# KiCad board SCKB-Xin.kicad_pcb
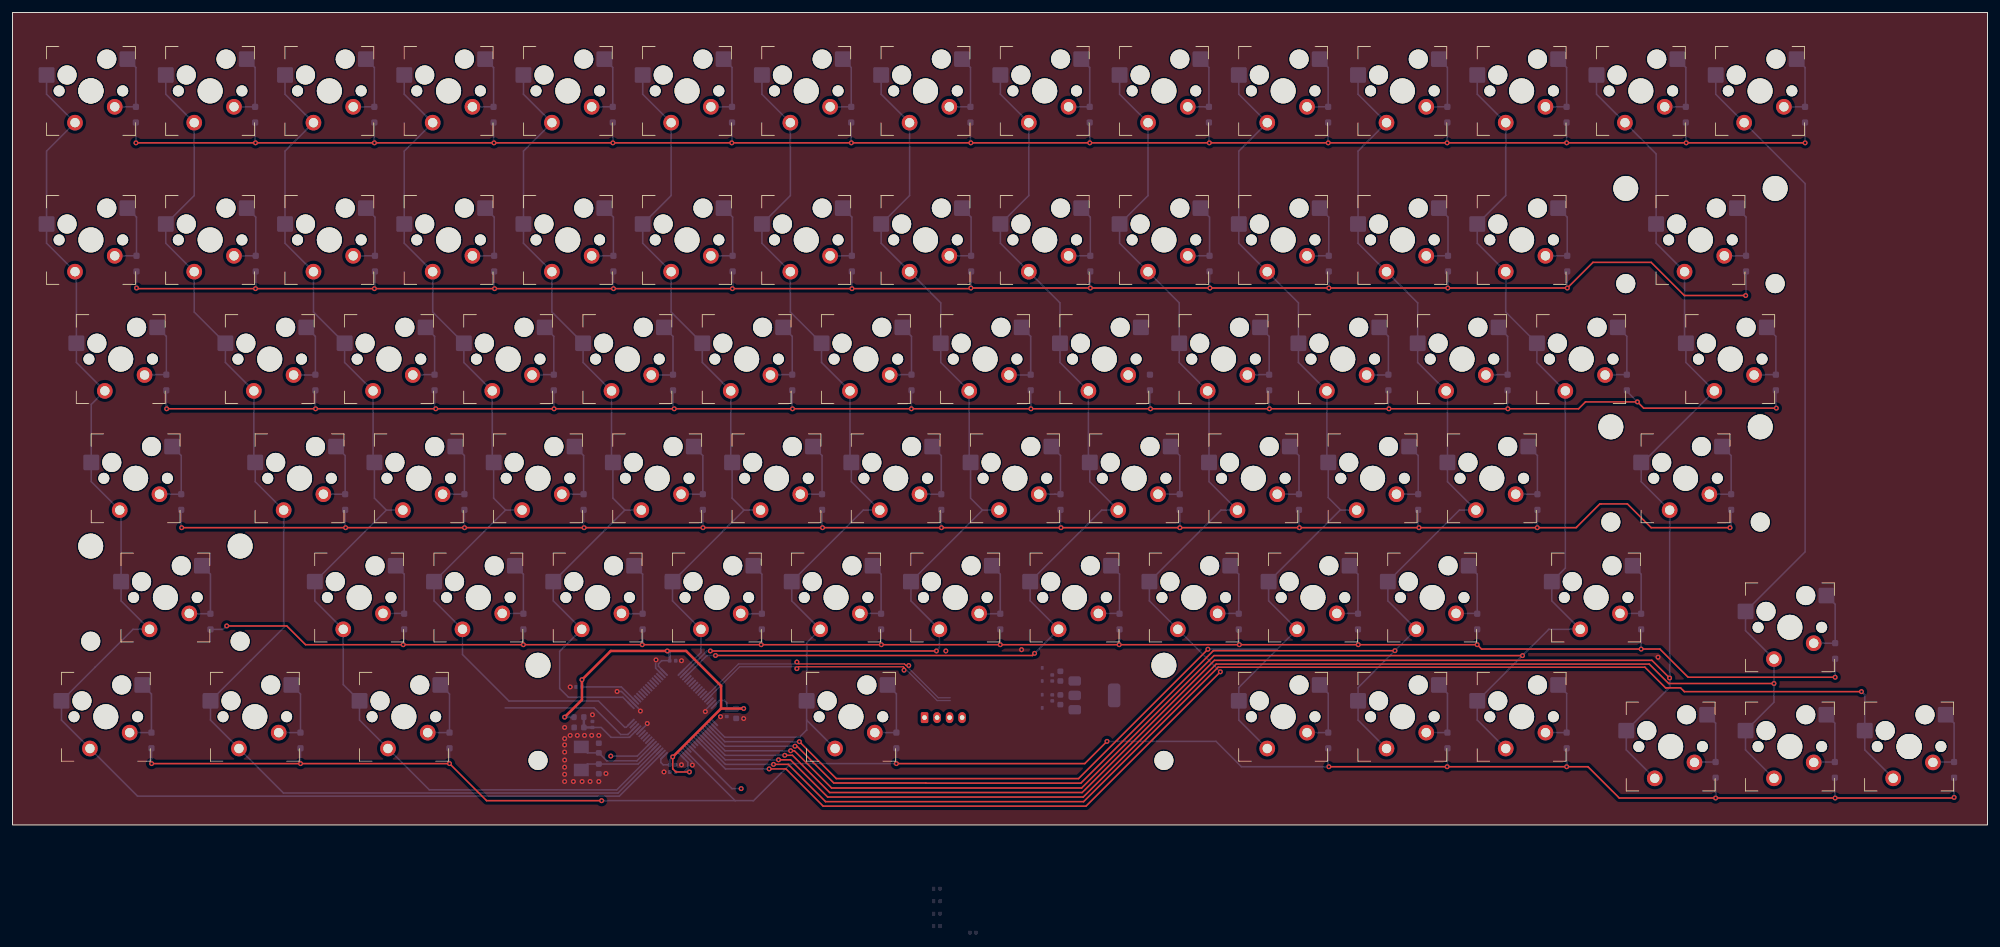
[diagram p0: board, top side]
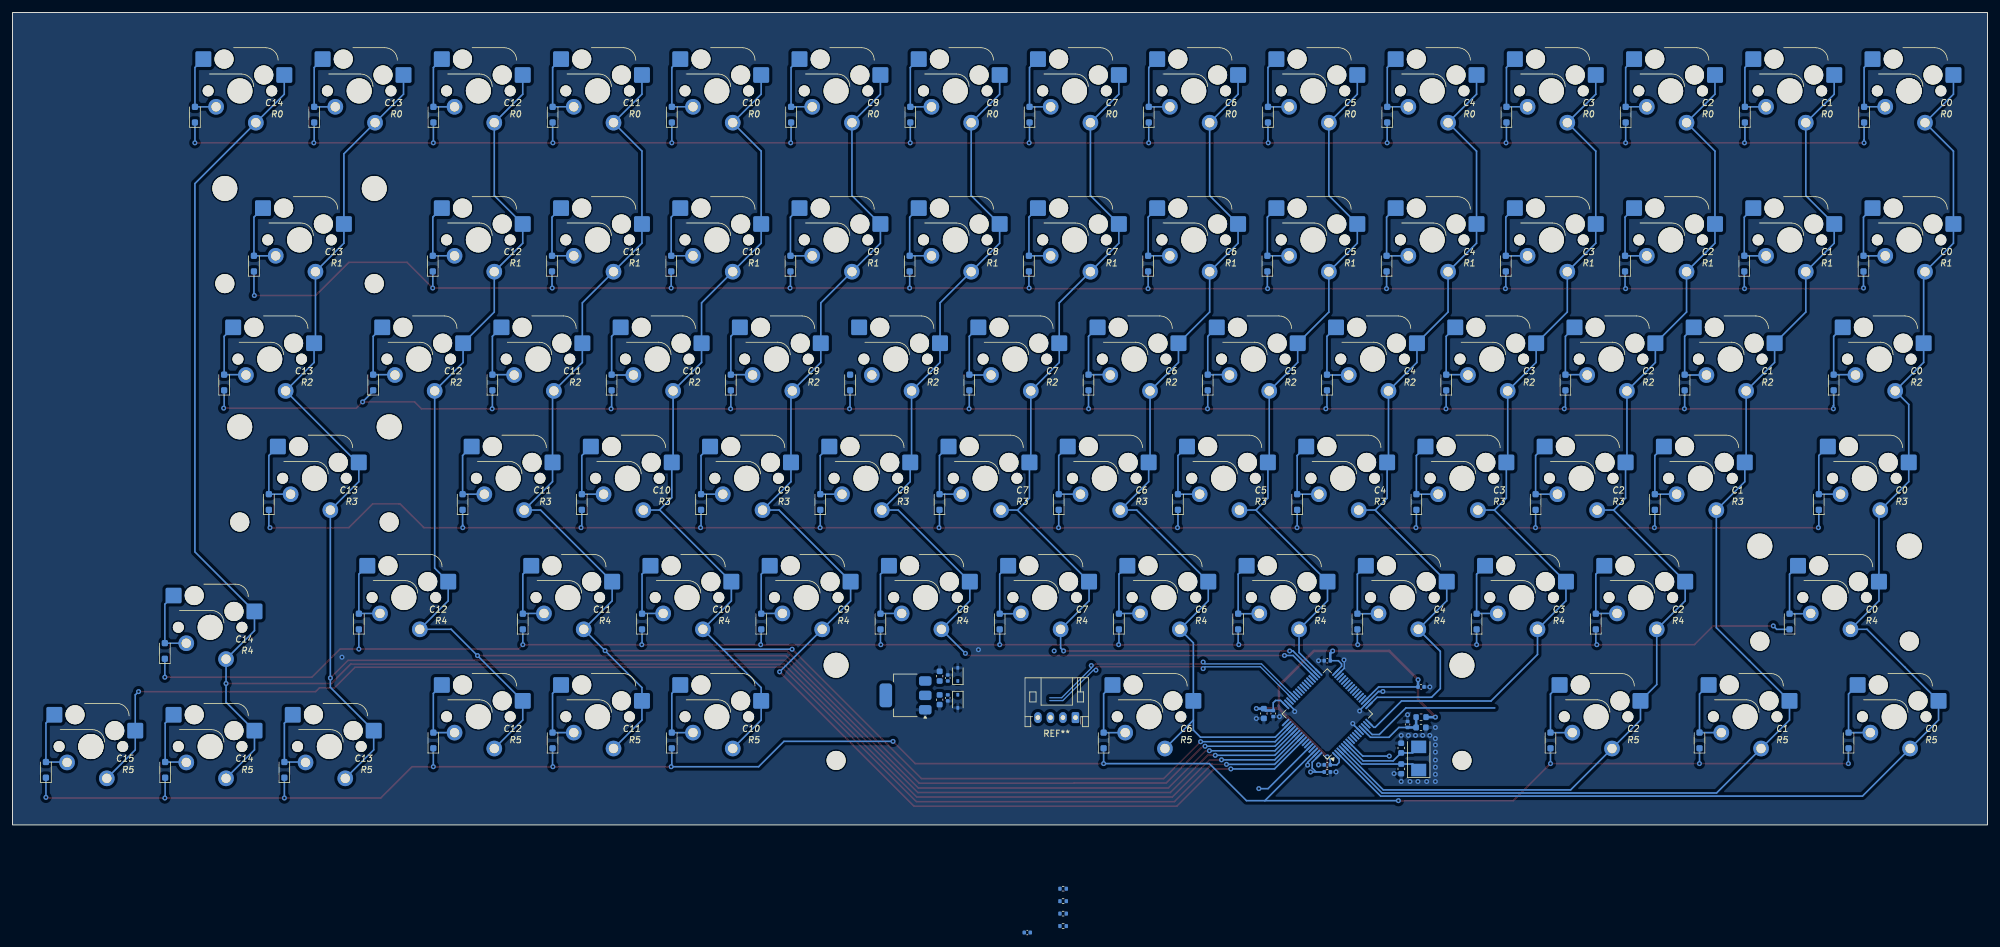
[diagram p1: board, bottom side, seen from below]

Outline 315.56 x 129.83 mm; copper layers: Top, Bottom. Coordinates in mm from the lower left corner of the outline.
Outline path: rectangle 0,129.83 315.56,0

## Placement (name value [footprint] x y rotation side)
C101  100n  [C_0402_1005Metric]  105.49 8.46 180 bottom
C102  100n  [C_0402_1005Metric]  90.5 22.05 180 bottom
C103  100n  [C_0402_1005Metric]  105.49 26.24 0 bottom
C104  100n  [C_0402_1005Metric]  114.12 17.8 270 bottom
C105  100n  [C_0402_1005Metric]  105.49 9.6 0 bottom
C106  4u7  [C_0603_1608Metric]  115.62 17.8 270 bottom
C107  10u  [C_0603_1608Metric]  90.52 15.57 180 bottom
C108  100n  [C_0402_1005Metric]  92.66 16.05 90 bottom
C109  100n  [C_0402_1005Metric]  166.13 23.48 90 bottom
C110  10u  [C_0603_1608Metric]  167.43 23.78 90 bottom
C111  10u  [C_0603_1608Metric]  167.43 20 270 bottom
C112  100n  [C_0402_1005Metric]  166.13 20.3 270 bottom
C113  100n  [C_0402_1005Metric]  153.43 -17.2 180 bottom
C114  30p  [C_0603_1608Metric]  93.68 8.96 90 bottom
C115  30p  [C_0603_1608Metric]  93.68 12.28 270 bottom
D101  CESD5V0D3  [D_SOD-323]  164.53 24.05 90 bottom
D102  CESD5V0D3  [D_SOD-323]  164.53 19.75 270 bottom
D201  1N4148W  [D_SOD-323_HandSoldering]  19.71 113.5 90 bottom
D202  1N4148W  [D_SOD-323_HandSoldering]  38.76 113.5 90 bottom
D203  1N4148W  [D_SOD-323_HandSoldering]  57.81 113.5 90 bottom
D204  1N4148W  [D_SOD-323_HandSoldering]  76.86 113.5 90 bottom
D205  1N4148W  [D_SOD-323_HandSoldering]  95.91 113.5 90 bottom
D206  1N4148W  [D_SOD-323_HandSoldering]  114.96 113.5 90 bottom
D207  1N4148W  [D_SOD-323_HandSoldering]  134.01 113.5 90 bottom
D208  1N4148W  [D_SOD-323_HandSoldering]  153.06 113.5 90 bottom
D209  1N4148W  [D_SOD-323_HandSoldering]  172.11 113.5 90 bottom
D210  1N4148W  [D_SOD-323_HandSoldering]  191.16 113.5 90 bottom
D211  1N4148W  [D_SOD-323_HandSoldering]  210.21 113.5 90 bottom
D212  1N4148W  [D_SOD-323_HandSoldering]  229.26 113.5 90 bottom
D213  1N4148W  [D_SOD-323_HandSoldering]  248.31 113.5 90 bottom
D214  1N4148W  [D_SOD-323_HandSoldering]  267.36 113.5 90 bottom
D215  1N4148W  [D_SOD-323_HandSoldering]  286.41 113.5 90 bottom
D217  1N4148W  [D_SOD-323_HandSoldering]  19.81 89.7 90 bottom
D218  1N4148W  [D_SOD-323_HandSoldering]  38.86 89.7 90 bottom
D219  1N4148W  [D_SOD-323_HandSoldering]  57.91 89.7 90 bottom
D220  1N4148W  [D_SOD-323_HandSoldering]  76.96 89.7 90 bottom
D221  1N4148W  [D_SOD-323_HandSoldering]  96.01 89.7 90 bottom
D222  1N4148W  [D_SOD-323_HandSoldering]  115.06 89.7 90 bottom
D223  1N4148W  [D_SOD-323_HandSoldering]  134.11 89.7 90 bottom
D224  1N4148W  [D_SOD-323_HandSoldering]  153.16 89.7 90 bottom
D225  1N4148W  [D_SOD-323_HandSoldering]  172.21 89.7 90 bottom
D226  1N4148W  [D_SOD-323_HandSoldering]  191.26 89.7 90 bottom
D227  1N4148W  [D_SOD-323_HandSoldering]  210.31 89.7 90 bottom
D228  1N4148W  [D_SOD-323_HandSoldering]  229.36 89.7 90 bottom
D229  1N4148W  [D_SOD-323_HandSoldering]  248.41 89.7 90 bottom
D230  1N4148W  [D_SOD-323_HandSoldering]  276.99 89.7 90 bottom
D232  1N4148W  [D_SOD-323_HandSoldering]  24.57 70.7 90 bottom
D233  1N4148W  [D_SOD-323_HandSoldering]  48.39 70.7 90 bottom
D234  1N4148W  [D_SOD-323_HandSoldering]  67.44 70.7 90 bottom
D235  1N4148W  [D_SOD-323_HandSoldering]  86.49 70.7 90 bottom
D236  1N4148W  [D_SOD-323_HandSoldering]  105.54 70.7 90 bottom
D237  1N4148W  [D_SOD-323_HandSoldering]  124.59 70.7 90 bottom
D238  1N4148W  [D_SOD-323_HandSoldering]  143.64 70.7 90 bottom
D239  1N4148W  [D_SOD-323_HandSoldering]  162.69 70.7 90 bottom
D240  1N4148W  [D_SOD-323_HandSoldering]  181.74 70.7 90 bottom
D241  1N4148W  [D_SOD-323_HandSoldering]  200.79 70.7 90 bottom
D242  1N4148W  [D_SOD-323_HandSoldering]  219.84 70.7 90 bottom
D243  1N4148W  [D_SOD-323_HandSoldering]  238.89 70.7 90 bottom
D244  1N4148W  [D_SOD-323_HandSoldering]  257.94 70.7 90 bottom
D245  1N4148W  [D_SOD-323_HandSoldering]  281.75 70.7 90 bottom
D247  1N4148W  [D_SOD-323_HandSoldering]  26.96 51.6 90 bottom
D248  1N4148W  [D_SOD-323_HandSoldering]  53.15 51.6 90 bottom
D249  1N4148W  [D_SOD-323_HandSoldering]  72.2 51.6 90 bottom
D250  1N4148W  [D_SOD-323_HandSoldering]  91.25 51.6 90 bottom
D251  1N4148W  [D_SOD-323_HandSoldering]  110.3 51.6 90 bottom
D252  1N4148W  [D_SOD-323_HandSoldering]  129.35 51.6 90 bottom
D253  1N4148W  [D_SOD-323_HandSoldering]  148.4 51.6 90 bottom
D254  1N4148W  [D_SOD-323_HandSoldering]  167.45 51.6 90 bottom
D255  1N4148W  [D_SOD-323_HandSoldering]  186.5 51.6 90 bottom
D256  1N4148W  [D_SOD-323_HandSoldering]  205.55 51.6 90 bottom
D257  1N4148W  [D_SOD-323_HandSoldering]  224.6 51.6 90 bottom
D258  1N4148W  [D_SOD-323_HandSoldering]  243.65 51.6 90 bottom
D259  1N4148W  [D_SOD-323_HandSoldering]  274.61 51.6 90 bottom
D261  1N4148W  [D_SOD-323_HandSoldering]  31.63 32.5 90 bottom
D262  1N4148W  [D_SOD-323_HandSoldering]  62.58 32.5 90 bottom
D263  1N4148W  [D_SOD-323_HandSoldering]  81.63 32.5 90 bottom
D264  1N4148W  [D_SOD-323_HandSoldering]  100.68 32.5 90 bottom
D265  1N4148W  [D_SOD-323_HandSoldering]  119.73 32.5 90 bottom
D266  1N4148W  [D_SOD-323_HandSoldering]  138.78 32.5 90 bottom
D267  1N4148W  [D_SOD-323_HandSoldering]  157.83 32.5 90 bottom
D268  1N4148W  [D_SOD-323_HandSoldering]  176.88 32.5 90 bottom
D269  1N4148W  [D_SOD-323_HandSoldering]  195.93 32.5 90 bottom
D270  1N4148W  [D_SOD-323_HandSoldering]  214.98 32.5 90 bottom
D271  1N4148W  [D_SOD-323_HandSoldering]  234.03 32.5 90 bottom
D272  1N4148W  [D_SOD-323_HandSoldering]  260.23 32.5 90 bottom
D273  1N4148W  [D_SOD-323_HandSoldering]  291.23 27.8 90 bottom
D274  1N4148W  [D_SOD-323_HandSoldering]  22.2 13.5 90 bottom
D275  1N4148W  [D_SOD-323_HandSoldering]  46.01 13.5 90 bottom
D276  1N4148W  [D_SOD-323_HandSoldering]  69.83 13.5 90 bottom
D277  1N4148W  [D_SOD-323_HandSoldering]  141.23 13.5 90 bottom
D278  1N4148W  [D_SOD-323_HandSoldering]  210.23 13.5 90 bottom
D279  1N4148W  [D_SOD-323_HandSoldering]  229.28 13.5 90 bottom
D280  1N4148W  [D_SOD-323_HandSoldering]  248.32 13.5 90 bottom
D281  1N4148W  [D_SOD-323_HandSoldering]  272.12 8.8 90 bottom
D282  1N4148W  [D_SOD-323_HandSoldering]  291.18 8.8 90 bottom
D283  1N4148W  [D_SOD-323_HandSoldering]  310.23 8.8 90 bottom
L101  CBG160808U121T  [L_0603_1608Metric]  90.5 17.22 0 bottom
R101  10k  [R_0402_1005Metric]  147.7 -10.19 180 bottom
R102  10k  [R_0402_1005Metric]  147.7 -12.19 180 bottom
R103  3k  [R_0402_1005Metric]  147.7 -14.17 180 bottom
R104  3k  [R_0402_1005Metric]  147.7 -16.16 180 bottom
REF**  -  [CornerSpacer3mm]  12.53 117.3 0 top  (not fitted)
REF**#2  -  [JST_PH_S4B-PH-K_1x04_P2.00mm_Horizontal]  145.73 17.15 0 bottom
REF***  -  [CornerSpacer3mm]  303.04 12.53 180 top
SW201  SW_Push  [0_SW_MX_PCB_1.00u]  12.53 117.3 0 top
SW202  SW_Push  [0_SW_MX_PCB_1.00u]  31.57 117.3 0 top
SW203  SW_Push  [0_SW_MX_PCB_1.00u]  50.62 117.3 0 top
SW204  SW_Push  [0_SW_MX_PCB_1.00u]  69.67 117.3 0 top
SW205  SW_Push  [0_SW_MX_PCB_1.00u]  88.72 117.3 0 top
SW206  SW_Push  [0_SW_MX_PCB_1.00u]  107.77 117.3 0 top
SW207  SW_Push  [0_SW_MX_PCB_1.00u]  126.83 117.3 0 top
SW208  SW_Push  [0_SW_MX_PCB_1.00u]  145.88 117.3 0 top
SW209  SW_Push  [0_SW_MX_PCB_1.00u]  164.93 117.3 0 top
SW210  SW_Push  [0_SW_MX_PCB_1.00u]  183.98 117.3 0 top
SW211  SW_Push  [0_SW_MX_PCB_1.00u]  203.03 117.3 0 top
SW212  SW_Push  [0_SW_MX_PCB_1.00u]  222.08 117.3 0 top
SW213  SW_Push  [0_SW_MX_PCB_1.00u]  241.12 117.3 0 top
SW214  SW_Push  [0_SW_MX_PCB_1.00u]  260.18 117.3 0 top
SW215  SW_Push  [0_SW_MX_PCB_1.00u]  279.23 117.3 0 top
SW217  SW_Push  [0_SW_MX_PCB_1.00u]  12.53 93.49 0 top
SW218  SW_Push  [0_SW_MX_PCB_1.00u]  31.57 93.49 0 top
SW219  SW_Push  [0_SW_MX_PCB_1.00u]  50.62 93.49 0 top
SW220  SW_Push  [0_SW_MX_PCB_1.00u]  69.67 93.49 0 top
SW221  SW_Push  [0_SW_MX_PCB_1.00u]  88.72 93.49 0 top
SW222  SW_Push  [0_SW_MX_PCB_1.00u]  107.77 93.49 0 top
SW223  SW_Push  [0_SW_MX_PCB_1.00u]  126.83 93.49 0 top
SW224  SW_Push  [0_SW_MX_PCB_1.00u]  145.88 93.49 0 top
SW225  SW_Push  [0_SW_MX_PCB_1.00u]  164.93 93.49 0 top
SW226  SW_Push  [0_SW_MX_PCB_1.00u]  183.98 93.49 0 top
SW227  SW_Push  [0_SW_MX_PCB_1.00u]  203.03 93.49 0 top
SW228  SW_Push  [0_SW_MX_PCB_1.00u]  222.08 93.49 0 top
SW229  SW_Push  [0_SW_MX_PCB_1.00u]  241.12 93.49 0 top
SW230  SW_Push  [0_SW_MX_PCB_2.00u-Stab2]  269.7 93.49 0 top
SW232  SW_Push  [0_SW_MX_PCB_1.50u]  17.29 74.44 0 top
SW233  SW_Push  [0_SW_MX_PCB_1.00u]  41.1 74.44 0 top
SW234  SW_Push  [0_SW_MX_PCB_1.00u]  60.15 74.44 0 top
SW235  SW_Push  [0_SW_MX_PCB_1.00u]  79.2 74.44 0 top
SW236  SW_Push  [0_SW_MX_PCB_1.00u]  98.25 74.44 0 top
SW237  SW_Push  [0_SW_MX_PCB_1.00u]  117.3 74.44 0 top
SW238  SW_Push  [0_SW_MX_PCB_1.00u]  136.35 74.44 0 top
SW239  SW_Push  [0_SW_MX_PCB_1.00u]  155.4 74.44 0 top
SW240  SW_Push  [0_SW_MX_PCB_1.00u]  174.45 74.44 0 top
SW241  SW_Push  [0_SW_MX_PCB_1.00u]  193.5 74.44 0 top
SW242  SW_Push  [0_SW_MX_PCB_1.00u]  212.55 74.44 0 top
SW243  SW_Push  [0_SW_MX_PCB_1.00u]  231.6 74.44 0 top
SW244  SW_Push  [0_SW_MX_PCB_1.00u]  250.65 74.44 0 top
SW245  SW_Push  [0_SW_MX_PCB_1.50u]  274.46 74.44 0 top
SW247  SW_Push  [0_SW_MX_PCB_1.75u]  19.67 55.39 0 top
SW248  SW_Push  [0_SW_MX_PCB_1.00u]  45.86 55.39 0 top
SW249  SW_Push  [0_SW_MX_PCB_1.00u]  64.91 55.39 0 top
SW250  SW_Push  [0_SW_MX_PCB_1.00u]  83.96 55.39 0 top
SW251  SW_Push  [0_SW_MX_PCB_1.00u]  103.01 55.39 0 top
SW252  SW_Push  [0_SW_MX_PCB_1.00u]  122.06 55.39 0 top
SW253  SW_Push  [0_SW_MX_PCB_1.00u]  141.11 55.39 0 top
SW254  SW_Push  [0_SW_MX_PCB_1.00u]  160.16 55.39 0 top
SW255  SW_Push  [0_SW_MX_PCB_1.00u]  179.21 55.39 0 top
SW256  SW_Push  [0_SW_MX_PCB_1.00u]  198.26 55.39 0 top
SW257  SW_Push  [0_SW_MX_PCB_1.00u]  217.31 55.39 0 top
SW258  SW_Push  [0_SW_MX_PCB_1.00u]  236.36 55.39 0 top
SW259  SW_Push  [0_SW_MX_PCB_2.25u-Stab2]  267.32 55.39 0 top
SW261  SW_Push  [0_SW_MX_PCB_2.25u-Stab2]  24.43 36.34 0 top
SW262  SW_Push  [0_SW_MX_PCB_1.00u]  55.39 36.34 0 top
SW263  SW_Push  [0_SW_MX_PCB_1.00u]  74.44 36.34 0 top
SW264  SW_Push  [0_SW_MX_PCB_1.00u]  93.49 36.34 0 top
SW265  SW_Push  [0_SW_MX_PCB_1.00u]  112.54 36.34 0 top
SW266  SW_Push  [0_SW_MX_PCB_1.00u]  131.59 36.34 0 top
SW267  SW_Push  [0_SW_MX_PCB_1.00u]  150.64 36.34 0 top
SW268  SW_Push  [0_SW_MX_PCB_1.00u]  169.69 36.34 0 top
SW269  SW_Push  [0_SW_MX_PCB_1.00u]  188.74 36.34 0 top
SW270  SW_Push  [0_SW_MX_PCB_1.00u]  207.79 36.34 0 top
SW271  SW_Push  [0_SW_MX_PCB_1.00u]  226.84 36.34 0 top
SW272  SW_Push  [0_SW_MX_PCB_1.75u]  253.03 36.34 0 top
SW273  SW_Push  [0_SW_MX_PCB_1.00u]  283.99 31.58 0 top
SW274  SW_Push  [0_SW_MX_PCB_1.25u]  14.91 17.29 0 top
SW275  SW_Push  [0_SW_MX_PCB_1.25u]  38.72 17.29 0 top
SW276  SW_Push  [0_SW_MX_PCB_1.25u]  62.53 17.29 0 top
SW277  SW_Push  [0_SW_MX_PCB_6.25u-Stab2]  133.97 17.29 0 top
SW278  SW_Push  [0_SW_MX_PCB_1.00u]  203.03 17.29 0 top
SW279  SW_Push  [0_SW_MX_PCB_1.00u]  222.08 17.29 0 top
SW280  SW_Push  [0_SW_MX_PCB_1.00u]  241.12 17.29 0 top
SW281  SW_Push  [0_SW_MX_PCB_1.00u]  264.94 12.53 0 top
SW282  SW_Push  [0_SW_MX_PCB_1.00u]  283.99 12.53 0 top
SW283  SW_Push  [0_SW_MX_PCB_1.00u]  303.04 12.53 0 top
U101  AMS1117-3.3  [SOT-223-3_TabPin2]  172.88 20.7 0 bottom
U102  STM32F103RBTx  [LQFP-64_10x10mm_P0.5mm]  105.49 17.73 45 bottom
Y101  8Mhz  [Crystal_SMD_5032-2Pin_5.0x3.2mm]  90.88 10.62 90 bottom

## Library data of the parts
C101-C105 C108 C109 C112 C113 = -: Description: Unpolarized capacitor; LCSC: C307331; ki_fp_filters: C_*
C106 = -: Description: Unpolarized capacitor; LCSC: C19666; ki_fp_filters: C_*
C107 C110 C111 = -: Description: Unpolarized capacitor; LCSC: C96446; ki_fp_filters: C_*
C114 C115 = -: Description: Unpolarized capacitor; LCSC: C1658; ki_fp_filters: C_*
D101 D102 = -: Description: Zener diode; LCSC: C19829531; ki_fp_filters: TO-???* *_Diode_* *SingleDiode* D_*
D201-D215 D217-D230 D232-D245 D247-D259 D261-D283 = -: Description: Schottky diode; ki_fp_filters: TO-???* *_Diode_* *SingleDiode* D_*
L101 = -: Description: Inductor with ferrite core; LCSC: C50843; ki_fp_filters: Choke_* *Coil* Inductor_* L_*
R101 R102 = -: Description: Resistor; LCSC: C25744; ki_fp_filters: R_*
R103 R104 = -: Description: Resistor; ki_fp_filters: R_*
SW201 = -: SW_ROW: R0; SW_COL: C0
SW202 = -: SW_ROW: R0; SW_COL: C1
SW203 = -: SW_ROW: R0; SW_COL: C2
SW204 = -: SW_ROW: R0; SW_COL: C3
SW205 = -: SW_ROW: R0; SW_COL: C4
SW206 = -: SW_ROW: R0; SW_COL: C5
SW207 = -: SW_ROW: R0; SW_COL: C6
SW208 = -: SW_ROW: R0; SW_COL: C7
SW209 = -: SW_ROW: R0; SW_COL: C8
SW210 = -: SW_ROW: R0; SW_COL: C9
SW211 = -: SW_ROW: R0; SW_COL: C10
SW212 = -: SW_ROW: R0; SW_COL: C11
SW213 = -: SW_ROW: R0; SW_COL: C12
SW214 = -: SW_ROW: R0; SW_COL: C13
SW215 = -: SW_ROW: R0; SW_COL: C14
SW217 = -: SW_ROW: R1; SW_COL: C0
SW218 = -: SW_ROW: R1; SW_COL: C1
SW219 = -: SW_ROW: R1; SW_COL: C2
SW220 = -: SW_ROW: R1; SW_COL: C3
SW221 = -: SW_ROW: R1; SW_COL: C4
SW222 = -: SW_ROW: R1; SW_COL: C5
SW223 = -: SW_ROW: R1; SW_COL: C6
SW224 = -: SW_ROW: R1; SW_COL: C7
SW225 = -: SW_ROW: R1; SW_COL: C8
SW226 = -: SW_ROW: R1; SW_COL: C9
SW227 = -: SW_ROW: R1; SW_COL: C10
SW228 = -: SW_ROW: R1; SW_COL: C11
SW229 = -: SW_ROW: R1; SW_COL: C12
SW230 = -: SW_ROW: R1; SW_COL: C13
SW232 = -: SW_ROW: R2; SW_COL: C0
SW233 = -: SW_ROW: R2; SW_COL: C1
SW234 = -: SW_ROW: R2; SW_COL: C2
SW235 = -: SW_ROW: R2; SW_COL: C3
SW236 = -: SW_ROW: R2; SW_COL: C4
SW237 = -: SW_ROW: R2; SW_COL: C5
SW238 = -: SW_ROW: R2; SW_COL: C6
SW239 = -: SW_ROW: R2; SW_COL: C7
SW240 = -: SW_ROW: R2; SW_COL: C8
SW241 = -: SW_ROW: R2; SW_COL: C9
SW242 = -: SW_ROW: R2; SW_COL: C10
SW243 = -: SW_ROW: R2; SW_COL: C11
SW244 = -: SW_ROW: R2; SW_COL: C12
SW245 = -: SW_ROW: R2; SW_COL: C13
SW247 = -: SW_ROW: R3; SW_COL: C0
SW248 = -: SW_ROW: R3; SW_COL: C1
SW249 = -: SW_ROW: R3; SW_COL: C2
SW250 = -: SW_ROW: R3; SW_COL: C3
SW251 = -: SW_ROW: R3; SW_COL: C4
SW252 = -: SW_ROW: R3; SW_COL: C5
SW253 = -: SW_ROW: R3; SW_COL: C6
SW254 = -: SW_ROW: R3; SW_COL: C7
SW255 = -: SW_ROW: R3; SW_COL: C8
SW256 = -: SW_ROW: R3; SW_COL: C9
SW257 = -: SW_ROW: R3; SW_COL: C10
SW258 = -: SW_ROW: R3; SW_COL: C11
SW259 = -: SW_ROW: R3; SW_COL: C13
SW261 = -: SW_ROW: R4; SW_COL: C0
SW262 = -: SW_ROW: R4; SW_COL: C2
SW263 = -: SW_ROW: R4; SW_COL: C3
SW264 = -: SW_ROW: R4; SW_COL: C4
SW265 = -: SW_ROW: R4; SW_COL: C5
SW266 = -: SW_ROW: R4; SW_COL: C6
SW267 = -: SW_ROW: R4; SW_COL: C7
SW268 = -: SW_ROW: R4; SW_COL: C8
SW269 = -: SW_ROW: R4; SW_COL: C9
SW270 = -: SW_ROW: R4; SW_COL: C10
SW271 = -: SW_ROW: R4; SW_COL: C11
SW272 = -: SW_ROW: R4; SW_COL: C12
SW273 = -: SW_ROW: R4; SW_COL: C14
SW274 = -: SW_ROW: R5; SW_COL: C0
SW275 = -: SW_ROW: R5; SW_COL: C1
SW276 = -: SW_ROW: R5; SW_COL: C2
SW277 = -: SW_ROW: R5; SW_COL: C6
SW278 = -: SW_ROW: R5; SW_COL: C10
SW279 = -: SW_ROW: R5; SW_COL: C11
SW280 = -: SW_ROW: R5; SW_COL: C12
SW281 = -: SW_ROW: R5; SW_COL: C13
SW282 = -: SW_ROW: R5; SW_COL: C14
SW283 = -: SW_ROW: R5; SW_COL: C15
U101 = -: Datasheet: http://www.advanced-monolithic.com/pdf/ds1117.pdf; Description: 1A Low Dropout regulator, positive, 3.3V fixed output, SOT-223; ki_fp_filters: SOT?223*TabPin2*
U102 = -: Datasheet: https://www.st.com/resource/en/datasheet/stm32f103rb.pdf; Description: STMicroelectronics Arm Cortex-M3 MCU, 128KB flash, 20KB RAM, 72 MHz, 2.0-3.6V, 51 GPIO, LQFP64; LCSC: C8735; ki_fp_filters: LQFP*10x10mm*P0.5mm*
Y101 = -: Description: Two pin crystal; LCSC: C115962; ki_fp_filters: Crystal*

## Footprints (pads in the part's own frame, mm; a bottom-side part is the same pattern mirrored in y, then rotated)
0_SW_MX_PCB_1.00u
  round 1.75 hole 1.75 unplated: (-5.08,0) (5.08,0)
  round 3.05 hole 3.05 unplated: (-3.81,2.54) (2.54,5.08)
  round 4 hole 4 unplated: (0,0)
  rrect 2.55x2.5 smd far side: 1(-7.085,2.54) 2(5.842,5.08)
  round 2.5 hole 1.5: 1(-2.54,-5.08) 2(3.81,-2.54)
0_SW_MX_PCB_1.25u
  round 1.75 hole 1.75 unplated: (-5.08,0) (5.08,0)
  round 3.05 hole 3.05 unplated: (-3.81,2.54) (2.54,5.08)
  round 4 hole 4 unplated: (0,0)
  rrect 2.55x2.5 smd far side: 1(-7.085,2.54) 2(5.842,5.08)
  round 2.5 hole 1.5: 1(-2.54,-5.08) 2(3.81,-2.54)
0_SW_MX_PCB_1.50u
  round 1.75 hole 1.75 unplated: (-5.08,0) (5.08,0)
  round 3.05 hole 3.05 unplated: (-3.81,2.54) (2.54,5.08)
  round 4 hole 4 unplated: (0,0)
  rrect 2.55x2.5 smd far side: 1(-7.085,2.54) 2(5.842,5.08)
  round 2.5 hole 1.5: 1(-2.54,-5.08) 2(3.81,-2.54)
0_SW_MX_PCB_1.75u
  round 1.75 hole 1.75 unplated: (-5.08,0) (5.08,0)
  round 3.05 hole 3.05 unplated: (-3.81,2.54) (2.54,5.08)
  round 4 hole 4 unplated: (0,0)
  rrect 2.55x2.5 smd far side: 1(-7.085,2.54) 2(5.842,5.08)
  round 2.5 hole 1.5: 1(-2.54,-5.08) 2(3.81,-2.54)
0_SW_MX_PCB_2.00u-Stab2
  round 3.988 hole 3.988 unplated: (-11.938,8.225) (11.938,8.225)
  round 3.048 hole 3.048 unplated: (-11.938,-6.985) (11.938,-6.985)
  round 1.75 hole 1.75 unplated: (-5.08,0) (5.08,0)
  round 3.05 hole 3.05 unplated: (-3.81,2.54) (2.54,5.08)
  round 4 hole 4 unplated: (0,0)
  rrect 2.55x2.5 smd far side: 1(-7.085,2.54) 2(5.842,5.08)
  round 2.5 hole 1.5: 1(-2.54,-5.08) 2(3.81,-2.54)
0_SW_MX_PCB_2.25u-Stab2
  round 3.988 hole 3.988 unplated: (-11.938,8.225) (11.938,8.225)
  round 3.048 hole 3.048 unplated: (-11.938,-6.985) (11.938,-6.985)
  round 1.75 hole 1.75 unplated: (-5.08,0) (5.08,0)
  round 3.05 hole 3.05 unplated: (-3.81,2.54) (2.54,5.08)
  round 4 hole 4 unplated: (0,0)
  rrect 2.55x2.5 smd far side: 1(-7.085,2.54) 2(5.842,5.08)
  round 2.5 hole 1.5: 1(-2.54,-5.08) 2(3.81,-2.54)
0_SW_MX_PCB_6.25u-Stab2
  round 3.988 hole 3.988 unplated: (-50,8.225) (50,8.225)
  round 3.048 hole 3.048 unplated: (-50,-6.985) (50,-6.985)
  round 1.75 hole 1.75 unplated: (-5.08,0) (5.08,0)
  round 3.05 hole 3.05 unplated: (-3.81,2.54) (2.54,5.08)
  round 4 hole 4 unplated: (0,0)
  rrect 2.55x2.5 smd far side: 1(-7.085,2.54) 2(5.842,5.08)
  round 2.5 hole 1.5: 1(-2.54,-5.08) 2(3.81,-2.54)
C_0402_1005Metric
  rrect 0.56x0.62 smd: 1(-0.48,0) 2(0.48,0)
C_0603_1608Metric
  rrect 0.9x0.95 smd: 1(-0.775,0) 2(0.775,0)
CornerSpacer3mm
  round 4 hole 4 unplated: (0,0)
Crystal_SMD_5032-2Pin_5.0x3.2mm
  rect 2x2.4 smd: 1(-1.85,0) 2(1.85,0)
D_SOD-323
  rrect 0.6x0.45 smd: 1(-1.05,0) 2(1.05,0)
D_SOD-323_HandSoldering
  rrect 1x1 smd: 1(-1.25,0) 2(1.25,0)
JST_PH_S4B-PH-K_1x04_P2.00mm_Horizontal
  rrect 1.2x1.75 hole 0.75: 1(0,0)
  oval 1.2x1.75 hole 0.75: 2(2,0) 3(4,0) 4(6,0)
L_0603_1608Metric
  rrect 0.875x0.95 smd: 1(-0.788,0) 2(0.788,0)
LQFP-64_10x10mm_P0.5mm
  rrect 1.55x0.3 smd: 1(-5.675,3.75) 2(-5.675,3.25) 3(-5.675,2.75) 4(-5.675,2.25) 5(-5.675,1.75) 6(-5.675,1.25) 7(-5.675,0.75) 8(-5.675,0.25) 9(-5.675,-0.25) 10(-5.675,-0.75) 11(-5.675,-1.25) 12(-5.675,-1.75) 13(-5.675,-2.25) 14(-5.675,-2.75) 15(-5.675,-3.25) 16(-5.675,-3.75) 33(5.675,-3.75) 34(5.675,-3.25) 35(5.675,-2.75) 36(5.675,-2.25) 37(5.675,-1.75) 38(5.675,-1.25) 39(5.675,-0.75) 40(5.675,-0.25) 41(5.675,0.25) 42(5.675,0.75) 43(5.675,1.25) 44(5.675,1.75) 45(5.675,2.25) 46(5.675,2.75) 47(5.675,3.25) 48(5.675,3.75)